# KiCad board panel.kicad_pcb (continued)
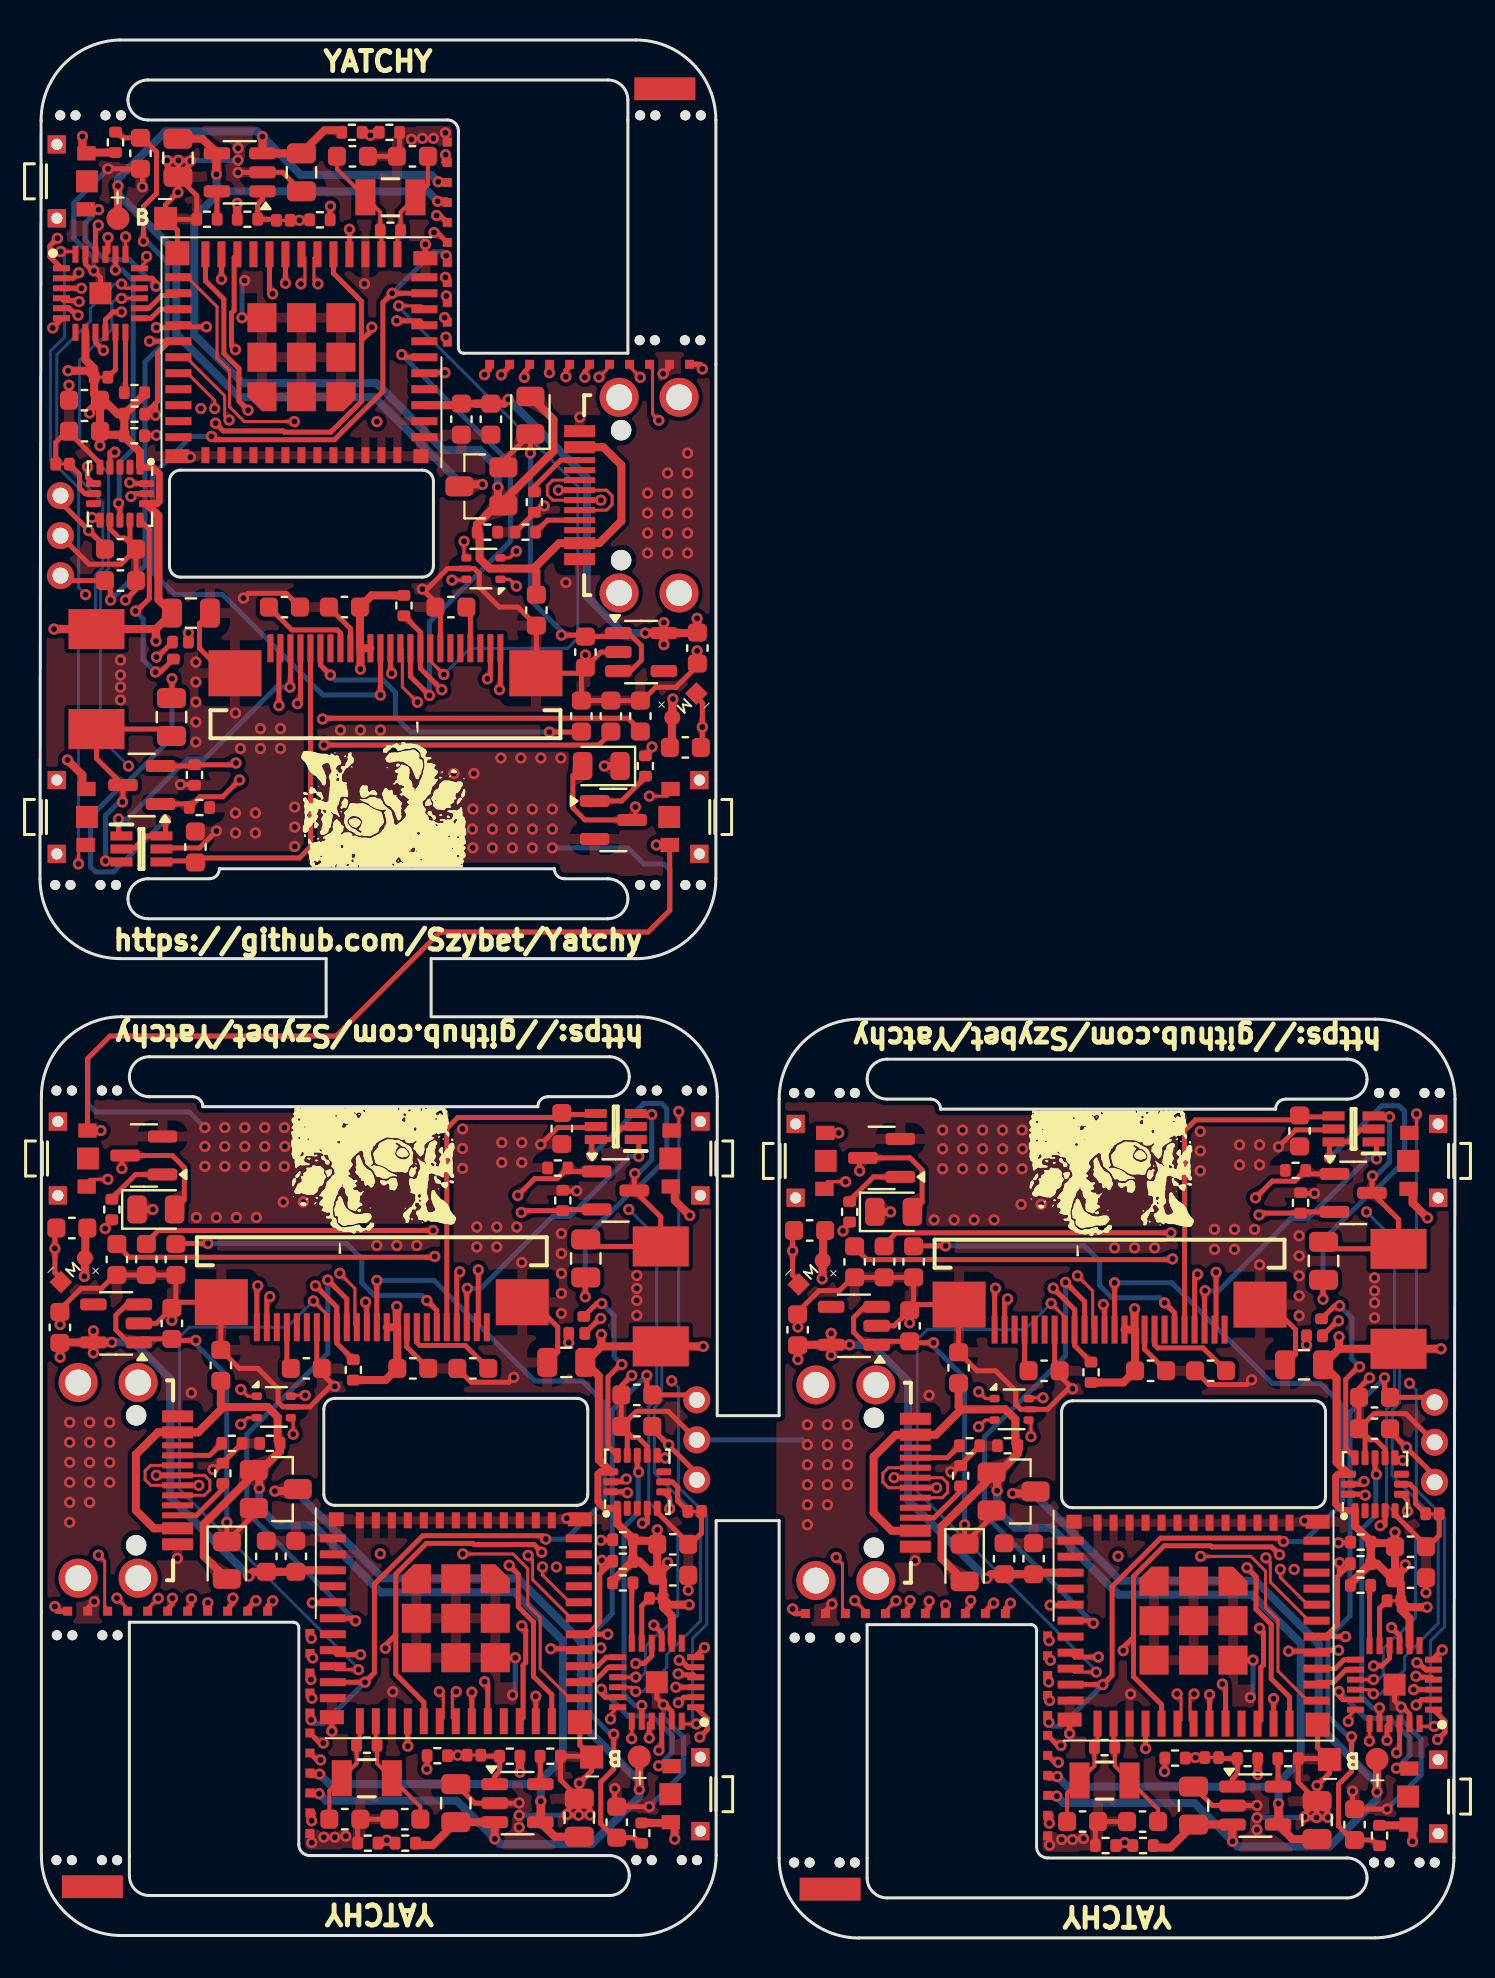
[diagram p0: board, top side]
## Routing (per net, layer and track width the routed paths; a pad name or vN(x,y) marks a point on that pad's centre or on a via; arc(x,y) is an arc through that point) (continued)
  In2.Cu w0.15: v1(61.31,19.02) 60.24,20.09 45.78,20.09 42.81,17.12 v1(42.81,16.87) ; v1(27.95,78.08) 27.95,77.84 24.99,74.87 10.52,74.87 v1(9.46,75.93) ; v1(5.92,16.99) 5.92,17.24 8.88,20.21 23.35,20.21 v1(24.41,19.14)
MOD_TX: length 97.2
  Top w0.15: v1(30.02,78.07) 29.49,78.6 29.48,78.6 ; v1(62.03,18.44) 62.03,18.04 63.39,16.68 U3.31 ; v1(3.85,17) 4.38,16.47 4.38,16.47 ; U3#2.31 26.49,16.8 25.13,18.16 v1(25.13,18.56) ; U3#3.31 7.37,78.28 8.74,76.92 v1(8.74,76.51) ; 41.28,16.35 41.28,16.35 v1(40.74,16.88)
  In2.Cu w0.15: v1(3.85,17) 3.62,17.23 3.62,20.73 4.26,21.37 9.86,21.37 10.62,20.61 25.49,20.61 25.99,20.11 25.99,19.48 25.13,18.63 v1(25.13,18.56) ; v1(62.03,18.44) 62.03,18.51 62.89,19.36 62.89,19.99 62.38,20.49 47.52,20.49 46.76,21.25 41.15,21.25 40.52,20.61 40.52,17.11 v1(40.74,16.88) ; v1(30.02,78.07) 30.25,77.84 30.25,74.35 29.61,73.71 24,73.71 23.25,74.46 8.38,74.46 7.88,74.97 7.88,75.59 8.74,76.45 v1(8.74,76.51)
MOSI: length 135.7
  Top w0.25: v1(8.57,75.12) 8.74,74.95 14.72,74.95 17.15,77.37 17.15,81.81 v1(17.61,82.28) U3#3.10 ; v1(25.3,19.96) 25.13,20.13 19.15,20.13 16.72,17.7 16.72,13.26 v1(16.25,12.8) U3#2.10 ; v1(13.56,10.91) 13.56,11.21 13.59,11.25 ; U3.10 v1(53.15,12.68) 53.62,13.14 53.62,17.58 56.04,20.01 62.02,20.01 v1(62.19,19.84) ; v1(16.84,32.9) J5#2.12 ; 20.27,83.83 20.31,83.87 v1(20.31,84.16) ; v1(17.02,62.18) J5#3.12 ; v1(53.74,32.78) J5.12 ; 50.49,11.13 50.45,11.09 v1(50.45,10.79)
  In1.Cu w0.25: v1(53.15,12.68) 53.15,12.69 ; v1(16.25,12.8) 16.25,12.81 ; v1(17.61,82.28) 17.61,82.27
  Bottom w0.25: v1(50.45,10.79) 50.64,10.6 51.08,10.6 v1(53.15,12.68) ; v1(17.61,82.28) 19.69,84.35 20.12,84.35 v1(20.31,84.16) ; v1(8.57,75.12) 7.56,75.12 5.62,73.18 5.62,68.33 6.74,67.21 9.13,67.21 14.16,62.18 v1(17.02,62.18) ; v1(16.25,12.8) 14.18,10.72 13.75,10.72 v1(13.56,10.91) ; v1(25.3,19.96) 26.3,19.96 28.25,21.9 28.25,26.74 27.13,27.86 24.74,27.86 19.71,32.9 v1(16.84,32.9) ; v1(62.19,19.84) 63.2,19.84 65.14,21.78 65.14,26.62 64.02,27.74 61.64,27.74 56.61,32.78 v1(53.74,32.78)
PREVGH: length 53.5
  Top w0.25: J5#2.5 20.34,40.5 20.89,41.05 26.27,41.05 26.42,41.2 27.94,41.2 ; J5.5 57.24,40.38 57.79,40.93 63.17,40.93 63.32,41.08 64.84,41.08 ; J5#3.5 13.52,54.58 12.97,54.03 7.6,54.03 7.45,53.88 5.92,53.88
PREVGL: length 42.2
  Top w0.25: J5.3 58.24,32.36 v1(58.27,32.38) ; v1(3.92,55.98) 3.92,55.18 ; v1(12.5,62.57) 12.52,62.6 J5#3.3 ; J5#2.3 21.34,32.48 v1(21.37,32.5) ; v1(66.84,38.98) 66.84,39.78 ; v1(29.94,39.1) 29.94,39.9
  Bottom w0.25: v1(12.5,62.57) 11.82,62.57 8.22,58.98 7.37,58.98 4.37,55.98 v1(3.92,55.98) ; v1(21.37,32.5) 22.05,32.5 25.64,36.1 26.49,36.1 29.49,39.1 v1(29.94,39.1) ; v1(58.27,32.38) 58.95,32.38 62.54,35.98 63.39,35.98 66.39,38.98 v1(66.84,38.98)
RES: length 139.6
  Top w0.25: U3#2.5 14.62,16.77 v1(13.62,16.77) ; R20.2 51.74,29.64 J5.16 51.74,31.44 v1(50.67,32.51) ; 18.2,66.14 19.02,65.32 J5#3.16 19.02,63.51 v1(20.09,62.44) ; v1(50.52,16.65) 51.52,16.65 U3.5 ; U3#3.5 19.25,78.3 v1(20.25,78.3) ; R20#2.2 14.84,29.76 J5#2.16 14.84,31.56 v1(13.77,32.63)
  In1.Cu w0.25: v1(13.77,32.63) 13.77,33.97 10.69,37.05 3.73,37.05 2.39,35.71 2.39,33.87 6.88,29.39 6.88,25.05 5.24,23.41 5.24,22.54 10.37,17.41 12.98,17.41 v1(13.62,16.77) ; v1(50.67,32.51) 50.67,33.85 47.59,36.93 40.63,36.93 39.29,35.59 39.29,33.75 43.77,29.27 43.77,24.93 42.14,23.29 42.14,22.42 47.27,17.29 49.88,17.29 v1(50.52,16.65) ; v1(20.25,78.3) 20.88,77.67 23.5,77.67 28.63,72.54 28.63,71.66 26.99,70.03 26.99,65.69 31.47,61.2 31.47,59.37 30.13,58.03 23.17,58.03 20.09,61.11 v1(20.09,62.44)
RESE: length 61.1
  Top w0.25: v1(48.39,31.97) 48.24,31.82 J5.23 ; v1(22.37,62.99) 22.52,63.14 J5#3.23 ; v1(60.97,36.18) 61.06,36.27 R9#2.2 63.1,36.33 Q1#2.2 ; v1(9.8,58.78) 9.71,58.69 R9.2 7.66,58.63 Q1.2 ; J5#2.23 11.34,31.94 v1(11.49,32.09) ; v1(24.07,36.3) 24.16,36.39 R9#3.2 26.2,36.45 Q1#3.2
  In2.Cu w0.25: v1(48.39,31.97) 48.39,33.03 51.54,36.18 v1(60.97,36.18) ; v1(9.8,58.78) 19.22,58.78 22.37,61.93 v1(22.37,62.99) ; v1(11.49,32.09) 11.49,33.15 14.64,36.3 v1(24.07,36.3)
SCK: length 140.7
  Top w0.25: v1(16.59,80.58) 16.59,80.42 16.07,79.9 ; v1(16.28,31.81) 16.34,31.75 J5#2.13 ; v1(61.99,19.17) 61.6,19.56 58.61,19.56 58.55,19.62 56.22,19.62 54.69,18.09 54.69,15.05 ; 16.07,79.9 16.07,81.88 14.67,83.28 U3#3.16 ; 16.07,79.9 16.07,76.87 14.54,75.33 12.22,75.33 12.16,75.39 9.17,75.39 8.78,75.78 v1(8.78,75.78) ; 54.69,15.05 54.17,14.53 v1(54.17,14.38) ; 54.69,15.05 54.69,13.08 56.09,11.68 U3.16 ; J5#3.13 17.52,63.32 v1(17.59,63.26) ; v1(50.49,11.88) 50.49,12.13 ; v1(13.59,12) 13.59,12.25 ; v1(20.27,83.08) 20.27,82.83 ; 17.79,15.17 17.79,13.2 19.19,11.8 U3#2.16 ; 17.79,15.17 17.27,14.65 v1(17.27,14.5) ; 17.79,15.17 17.79,18.21 19.33,19.74 21.65,19.74 21.71,19.68 24.7,19.68 v1(25.09,19.29) ; J5.13 53.24,31.63 v1(53.18,31.69)
  In1.Cu w0.25: v1(25.09,19.29) 25.63,19.29 27.84,21.51 27.84,27.15 26.08,28.91 19.68,28.91 16.79,31.8 16.3,31.8 v1(16.28,31.81) ; v1(8.78,75.78) 8.24,75.78 6.02,73.57 6.02,67.93 7.78,66.17 14.18,66.17 17.07,63.28 17.57,63.28 v1(17.59,63.26) ; v1(61.99,19.17) 62.53,19.17 64.74,21.39 64.74,27.03 62.98,28.79 56.58,28.79 53.69,31.68 53.2,31.68 v1(53.18,31.69)
  In2.Cu w0.25: v1(17.27,14.5) 17.27,12.97 16.31,12 v1(13.59,12) ; v1(16.59,80.58) 16.59,82.11 17.56,83.08 v1(20.27,83.08) ; v1(50.49,11.88) 53.2,11.88 54.17,12.85 v1(54.17,14.38)
SCL: length 97
  Top w0.25: 5.78,76.78 5.87,76.87 5.87,79.28 6.47,79.88 U3#3.29 v1(5.47,79.88) ; 5.78,76.78 5.77,76.77 v1(5.77,76.18) ; 5.78,76.78 R1.2 ; v1(67.02,20.63) 67.24,20.63 67.27,20.66 67.27,21.37 ; 30.37,21.49 30.37,20.78 30.34,20.75 v1(30.12,20.75) ; 28.09,18.3 28.09,18.31 v1(28.09,18.9) ; 28.09,18.3 R1#3.2 ; 28.09,18.3 27.99,18.21 27.99,15.8 27.39,15.2 U3#2.29 v1(28.39,15.2) ; IC2#2.9 2.77,79.82 v1(3.17,79.42) ; v1(65.29,15.08) U3.29 64.29,15.08 64.89,15.68 64.89,18.09 64.98,18.18 ; v1(30.69,15.66) 31.09,15.26 IC2.9 ; v1(50.93,8.79) 50.75,8.79 J9#2.1 ; v1(19.83,86.17) 20.02,86.17 J9#3.1 ; v1(14.03,8.91) 13.85,8.91 J9.1 ; v1(67.59,15.54) 67.99,15.14 IC2#3.9 ; 64.98,18.18 R1#2.2 ; 64.98,18.18 64.99,18.19 v1(64.99,18.78) ; 3.49,73.58 3.49,74.3 3.52,74.33 v1(3.74,74.33)
  In1.Cu w0.25: v1(28.39,15.2) 28.39,15.25 29.14,16 30.35,16 v1(30.69,15.66) ; v1(5.47,79.88) 5.47,79.83 4.72,79.08 3.51,79.08 v1(3.17,79.42) ; v1(28.09,18.9) 28.9,18.9 30.12,20.12 v1(30.12,20.75) ; v1(64.99,18.78) 65.79,18.78 67.02,20 v1(67.02,20.63) ; v1(65.29,15.08) 65.29,15.13 66.04,15.88 67.25,15.88 v1(67.59,15.54) ; v1(3.74,74.33) 3.74,74.95 4.97,76.18 v1(5.77,76.18)
  In2.Cu w0.25: v1(19.83,86.17) 18.14,86.17 13.64,81.67 7.68,81.67 5.89,79.88 v1(5.47,79.88) ; v1(65.29,15.08) 64.88,15.08 63.09,13.29 57.13,13.29 52.63,8.79 v1(50.93,8.79) ; v1(14.03,8.91) 15.73,8.91 20.23,13.41 26.19,13.41 27.98,15.2 v1(28.39,15.2)
SDA: length 96.3
  Top w0.25: v1(5.82,80.56) 6.81,80.56 U3#3.28 7,80.6 v1(8.32,80.6) ; v1(25.54,14.47) 26.87,14.47 U3#2.28 27.06,14.51 v1(28.05,14.51) ; v1(66.69,13.61) 67.11,13.61 67.49,14 IC2#3.10 ; v1(14.16,9.76) 14,9.76 J10.1 ; v1(2.38,73.6) 2.38,73.05 AC1#2.6 ; 28.63,19.88 28.61,19.9 v1(28.05,19.9) ; v1(51.06,9.64) 50.9,9.64 J10#2.1 ; J10#3.1 19.87,85.32 v1(19.7,85.32) ; v1(4.08,81.34) 3.66,81.34 3.27,80.96 IC2#2.10 ; IC2.10 30.59,14.12 30.21,13.73 v1(29.79,13.73) ; v1(5.82,75.18) 5.25,75.18 5.23,75.2 ; v1(64.94,14.39) 63.96,14.39 U3.28 63.77,14.35 v1(62.44,14.35) ; v1(68.38,21.35) 68.38,21.91 AC1.6 ; 65.53,19.76 65.51,19.78 v1(64.94,19.78) ; AC1#3.6 31.49,22.03 v1(31.49,21.47)
  In1.Cu w0.25: v1(2.38,73.6) 3.77,73.6 5.34,75.18 v1(5.82,75.18) 6.47,75.83 6.47,79.91 v1(5.82,80.56) 5.56,80.56 4.78,81.34 v1(4.08,81.34) ; v1(68.38,21.35) 67,21.35 65.42,19.78 v1(64.94,19.78) 64.29,19.12 64.29,15.05 v1(64.94,14.39) 65.21,14.39 65.99,13.61 v1(66.69,13.61) ; v1(31.49,21.47) 30.1,21.47 28.53,19.9 v1(28.05,19.9) 27.39,19.24 27.39,15.17 v1(28.05,14.51) 28.31,14.51 29.09,13.73 v1(29.79,13.73)
  In2.Cu w0.25: v1(25.54,14.47) 25.45,14.57 20.74,14.57 15.93,9.76 v1(14.16,9.76) ; v1(62.44,14.35) 62.35,14.45 57.64,14.45 52.83,9.64 v1(51.06,9.64) ; v1(8.32,80.6) 8.42,80.51 13.12,80.51 17.93,85.32 v1(19.7,85.32)
STAT_IN: length 35.4
  Top w0.25: R6.1 57.3,9.03 v1(57.79,9.03) JP2#3.2 ; IC2#2.21 3.4,84.36 v1(3.4,85.07) ; IC2#3.21 67.36,10.6 v1(67.36,9.88) ; R6#3.1 20.4,9.15 v1(20.89,9.15) JP2#2.2 ; R6#2.1 13.46,85.93 v1(12.97,85.93) JP2.2 ; IC2.21 30.47,10.72 v1(30.47,10)
  In1.Cu w0.25: v1(12.97,85.93) 12.72,85.68 4.01,85.68 v1(3.4,85.07) ; v1(30.47,10) 29.86,9.4 21.14,9.4 v1(20.89,9.15) ; v1(67.36,9.88) 66.75,9.28 58.04,9.28 v1(57.79,9.03)
STAT_OUT: length 42.6
  Top w0.25: v1(19.34,8.45) 19.36,8.46 R6#3.2 ; v1(56.24,8.33) 56.26,8.34 R6.2 ; v1(14.52,86.63) 14.51,86.61 R6#2.2 ; IC2#2.22 2.77,85.54 v1(2.92,85.69) ; IC2#3.22 67.99,9.41 v1(67.85,9.27) ; IC2.22 31.09,9.53 v1(30.95,9.39)
  In1.Cu w0.25: v1(19.34,8.45) 21.16,8.45 21.77,9.06 30.62,9.06 v1(30.95,9.39) ; v1(2.92,85.69) 3.25,86.02 12.09,86.02 12.7,86.63 v1(14.52,86.63) ; v1(67.85,9.27) 67.51,8.94 58.67,8.94 58.06,8.33 v1(56.24,8.33)
UP_ DN: length 32.3
  Top w0.15: v1(25.93,72.43) J4.A7 28.33,72.43 28.61,72.15 28.61,71.71 28.34,71.43 J4.B7 ; J4#3.B7 5.53,23.65 5.26,23.37 5.26,22.93 5.54,22.65 J4#3.A7 v1(7.94,22.65) ; J4#2.B7 42.43,23.53 42.15,23.25 42.15,22.81 42.43,22.53 J4#2.A7 v1(44.84,22.53) ; v1(23.82,69.38) 23.49,69.04 U1.3 ; U1#2.3 47.28,25.91 v1(46.94,25.58) ; U1#3.3 10.38,26.03 v1(10.04,25.7)
  In1.Cu w0.15: v1(46.94,25.58) 45.94,24.58 arc(45.77,24.51) 45.6,24.58 45.46,24.71 arc(45.3,24.78) 45.13,24.71 45.04,24.63 arc(44.97,24.46) 45.04,24.29 45.18,24.15 arc(45.25,23.98) 45.18,23.81 44.84,23.47 v1(44.84,22.53) ; v1(10.04,25.7) 9.05,24.7 arc(8.88,24.63) 8.71,24.7 8.57,24.83 arc(8.4,24.9) 8.23,24.83 8.15,24.75 arc(8.07,24.58) 8.15,24.41 8.28,24.27 arc(8.35,24.1) 8.28,23.93 7.94,23.59 v1(7.94,22.65) ; v1(23.82,69.38) 24.82,70.38 arc(24.99,70.45) 25.16,70.38 25.3,70.24 arc(25.47,70.17) 25.64,70.24 25.72,70.33 arc(25.79,70.5) 25.72,70.67 25.59,70.8 arc(25.52,70.97) 25.59,71.14 25.93,71.48 v1(25.93,72.43)
UP_ DP: length 35.9
  Top w0.15: J4#2.A6 45.12,23.03 45.39,22.75 45.39,22.3 45.12,22.03 J4#2.B6 ; U1#2.1 47.28,26.99 v1(46.94,27.33) ; U1#3.1 10.38,27.11 v1(10.04,27.45) ; J4.A6 25.65,71.93 25.37,72.2 25.37,72.66 25.65,72.93 J4.B6 ; v1(23.82,67.63) 23.48,67.97 U1.1 ; J4#3.A6 8.22,23.15 8.5,22.87 8.5,22.42 8.22,22.15 J4#3.B6
  Top w0.2: 28.01,71.87 27.95,71.93 J4.A6 ; J4#2.A6 42.81,23.03 42.75,23.09 ; J4#3.A6 5.91,23.15 5.85,23.21
  In1.Cu w0.15: v1(5.82,23.15) 10.04,27.38 v1(10.04,27.45) ; v1(46.94,27.33) 46.94,27.26 v1(42.71,23.03) ; v1(28.05,71.93) 23.82,67.7 v1(23.82,67.63)
VIB_PWM: length 103.7
  Top w0.15: 3.54,35.94 3.54,35.77 v1(3.26,35.49) ; v1(40.16,35.37) 40.44,35.65 40.44,35.82 ; 30.32,59.14 30.32,59.3 v1(30.61,59.58)
  Top w0.25: v1(21.59,12.3) U3#2.19 ; v1(12.27,82.78) U3#3.19 ; v1(58.49,12.18) U3.19
  In1.Cu w0.15: v1(40.16,35.37) 40.17,35.36 43.37,35.36 50.7,28.04 50.7,21.18 58.39,13.48 58.39,12.23 ; 12.37,82.72 12.37,81.47 20.07,73.78 20.07,66.92 27.39,59.59 30.6,59.59 v1(30.61,59.58) ; v1(3.26,35.49) 3.27,35.48 6.48,35.48 13.8,28.16 13.8,21.3 21.49,13.6 21.49,12.35
Net-(AC1-ADC1): length 31.3
  Top w0.25: v1(4.49,72.8) 4.54,72.75 AC1#2.16 ; AC1#3.16 29.33,22.32 v1(29.38,22.27) ; v1(26.44,29.79) TP1.1 ; v1(7.42,65.29) TP1#3.1 ; AC1.16 66.23,22.2 v1(66.28,22.15) ; v1(63.34,29.67) TP1#2.1
  In1.Cu w0.25: v1(63.34,29.67) 65.09,27.92 65.09,22.67 65.61,22.15 v1(66.28,22.15) ; v1(29.38,22.27) 28.72,22.27 28.2,22.79 28.2,28.04 v1(26.44,29.79) ; v1(4.49,72.8) 5.15,72.8 5.67,72.28 5.67,67.04 v1(7.42,65.29)
Net-(AC1-ADC2): length 31.7
  Top w0.25: v1(4.55,72.11) 4.69,72.25 AC1#2.15 ; v1(66.22,22.84) 66.08,22.7 AC1.15 ; TP2#2.1 5.87,64.08 v1(5.82,64.08) ; TP2#3.1 64.89,30.88 v1(64.94,30.88) ; TP2.1 27.99,31 v1(28.04,31) ; AC1#3.15 29.18,22.82 v1(29.32,22.96)
  In1.Cu w0.25: v1(5.82,64.08) 5.27,64.63 5.27,65.1 5.32,65.15 5.32,67.09 4.67,67.74 4.67,71.98 v1(4.55,72.11) ; v1(28.04,31) 28.59,30.45 28.59,29.98 28.54,29.93 28.54,27.98 29.19,27.33 29.19,23.09 v1(29.32,22.96) ; v1(66.22,22.84) 66.09,22.97 66.09,27.21 65.44,27.86 65.44,29.81 65.49,29.86 65.49,30.33 v1(64.94,30.88)
Net-(AC1-ADC3): length 29.1
  Top w0.25: TP3.1 64.74,31.63 v1(64.99,31.63) ; AC1#3.13 28.4,24.61 28.4,28.07 29.03,28.7 v1(29.09,28.7) ; TP3#2.1 6.02,63.33 v1(5.77,63.33) ; v1(4.77,66.38) 4.84,66.38 5.46,67.01 5.46,70.46 AC1#2.13 ; v1(65.99,28.58) 65.93,28.58 65.3,27.95 65.3,24.49 AC1.13 ; v1(28.09,31.75) 27.84,31.75 TP3#3.1
  Bottom w0.25: v1(64.99,31.63) 65.61,31.01 65.61,28.96 v1(65.99,28.58) ; v1(5.77,63.33) 5.16,63.95 5.16,66 v1(4.77,66.38) ; v1(29.09,28.7) 28.71,29.08 28.71,31.13 v1(28.09,31.75)
Net-(AC1-SDO/SA0): length 6.7
  Top w0.25: AC1#3.7 31.62,22.82 31.89,22.55 31.89,21.85 JP4.1 ; JP4#3.1 1.98,73.22 1.98,72.53 2.25,72.25 AC1#2.7 ; AC1.7 68.52,22.7 68.79,22.43 68.79,21.73 JP4#2.1
Net-(C2-Pad1): length 6.4
  Top w0.25: J5#3.21 21.52,66.38 C2#2.1 ; J5#2.21 12.34,28.7 C2.1 ; C2#3.1 49.24,28.58 J5.21
Net-(C6-Pad1): length 14.6
  Top w0.25: J5.8 55.74,29.68 55.9,29.52 58.17,29.52 C6#3.1 ; C6#2.1 12.59,65.43 14.87,65.43 15.02,65.28 J5#3.8 ; C6.1 21.27,29.64 19,29.64 18.84,29.8 J5#2.8
Net-(C8-Pad1): length 48.1
  Top w0.25: 43.64,34.6 43.67,34.63 v1(45.29,34.63) ; J5.6 56.74,31.28 v1(56.24,31.78) ; J5#3.6 14.02,63.68 v1(14.52,63.18) ; J5#2.6 19.84,31.4 v1(19.34,31.9) ; 6.74,34.72 6.77,34.75 v1(8.39,34.75) ; 27.12,60.35 27.1,60.33 v1(25.47,60.33)
  Bottom w0.25: v1(25.47,60.33) 18.54,60.33 17.77,61.09 17.77,62.31 17.15,62.93 14.77,62.93 v1(14.52,63.18) ; v1(8.39,34.75) 15.33,34.75 16.09,33.98 16.09,32.77 16.72,32.15 19.09,32.15 v1(19.34,31.9) ; v1(56.24,31.78) 55.99,32.03 53.61,32.03 52.99,32.65 52.99,33.86 52.23,34.63 v1(45.29,34.63)
Net-(C9-Pad1): length 60.9
  Top w0.25: J5#3.4 13.02,61.9 v1(12.88,61.75) ; J5#2.4 20.84,33.18 v1(20.99,33.33) ; v1(57.89,33.21) 57.74,33.06 J5.4 ; 28.62,60.35 27.95,59.68 v1(14.21,59.68) ; 42.14,34.6 42.82,35.28 v1(56.56,35.28) ; 5.24,34.72 5.92,35.4 v1(19.66,35.4)
  In1.Cu w0.25: v1(56.56,35.28) 56.84,35.28 57.89,34.23 v1(57.89,33.21) ; v1(19.66,35.4) 19.94,35.4 20.99,34.35 v1(20.99,33.33) ; v1(12.88,61.75) 12.88,60.73 13.92,59.68 v1(14.21,59.68)
Net-(C10-Pad1): length 64.8
  Top w0.25: 30.07,60.35 29.41,61.02 14.16,61.02 v1(14.12,60.98) ; J5#2.2 21.92,30.63 v1(21.92,33.42) ; v1(11.95,61.65) 11.95,64.44 J5#3.2 ; v1(58.82,33.3) 58.82,30.51 J5.2 ; v1(56.64,33.98) 56.6,33.94 41.36,33.94 40.69,34.6 ; 3.79,34.72 4.46,34.06 19.7,34.06 v1(19.74,34.1)
  In2.Cu w0.25: v1(14.12,60.98) 12.62,60.98 v1(11.95,61.65) ; v1(21.92,33.42) 21.25,34.1 v1(19.74,34.1) ; v1(56.64,33.98) 58.14,33.98 v1(58.82,33.3)
Net-(D4-K): length 58.2
  Top w0.25: v1(26.07,65.18) 27.2,65.18 C22.1 28.75,65.1 U2#3.1 29.44,65.28 30.07,64.65 30.07,63.92 29.53,63.38 U2#3.3 ; Q4#3.2 10.69,21.18 D4.1 v1(9.34,20.8) ; Q4.2 47.59,21.06 D4#2.1 v1(46.24,20.68) ; U2.3 4.33,31.7 3.79,31.16 3.79,30.43 4.42,29.8 U2.1 5.12,29.97 C22#3.1 6.67,29.9 v1(7.79,29.9) ; Q4#2.2 23.17,73.89 D4#3.1 v1(24.52,74.28) ; U2#2.3 41.23,31.58 40.69,31.04 40.69,30.31 41.32,29.68 U2#2.1 42.02,29.85 C22#2.1 43.57,29.78 v1(44.69,29.78)
  Bottom w0.25: v1(7.79,29.9) 7.79,29.7 9.34,28.15 v1(9.34,20.8) ; v1(26.07,65.18) 26.07,65.38 24.52,66.93 v1(24.52,74.28) ; v1(44.69,29.78) 44.69,29.58 46.24,28.03 v1(46.24,20.68)
Net-(D5-A2): length 61.1
  Top w0.25: C3.1 27.27,33.02 v1(27.27,32.08) ; v1(64.49,39.03) 64.49,39.63 D5.6 65.44,39.83 66.04,40.43 66.84,40.43 ; C3#3.1 6.6,62.05 v1(6.6,63) ; 29.94,40.55 29.14,40.55 28.54,39.95 D5#3.6 27.59,39.75 v1(27.59,39.15) ; v1(64.17,31.96) 64.17,32.9 C3#2.1 ; 3.92,54.53 4.72,54.53 5.32,55.13 D5#2.6 6.27,55.33 v1(6.27,55.93)
  Bottom w0.25: v1(6.27,55.93) 3.67,53.33 2.78,53.33 2.52,53.59 2.52,56.09 4.23,57.8 4.35,57.8 6.6,60.04 v1(6.6,63) ; v1(27.59,39.15) 30.19,41.75 31.08,41.75 31.34,41.49 31.34,38.98 29.64,37.28 29.51,37.28 27.27,35.03 v1(27.27,32.08) ; v1(64.17,31.96) 64.17,34.91 66.41,37.16 66.53,37.16 68.24,38.86 68.24,41.37 67.98,41.63 67.09,41.63 v1(64.49,39.03)
Net-(D5-A3): length 36.5
  Top w0.25: v1(4.12,56.83) 4.15,56.85 Q1.3 2.82,59 L1.1 6.22,60.48 C3#3.2 ; v1(66.64,38.13) 66.62,38.1 Q1#2.3 67.94,35.95 L1#3.1 64.54,34.48 C3#2.2 ; v1(29.74,38.25) 29.72,38.22 Q1#3.3 31.04,36.07 L1#2.1 27.64,34.6 C3.2 ; v1(3.27,53.88) 3.92,53.88 ; v1(30.59,41.2) 29.94,41.2 ; v1(67.49,41.08) 66.84,41.08
  Bottom w0.25: v1(66.64,38.13) 66.81,38.13 67.49,38.81 v1(67.49,41.08) ; v1(3.27,53.88) 3.27,56.15 3.95,56.83 v1(4.12,56.83) ; v1(30.59,41.2) 30.59,38.93 29.91,38.25 v1(29.74,38.25)
Net-(D6-A): length 44.7
  Top w0.25: 29.12,55.93 27.25,55.93 26.65,56.53 26.65,58.14 D6#3.2 ; 37.94,32.87 37.64,33.17 v1(37.64,34.38) 37.64,35.4 37.62,35.43 ; Q5#3.3 40.99,38.86 v1(40.99,38.38) ; Q5#2.3 4.09,38.98 v1(4.09,38.5) ; 1.04,32.99 0.74,33.29 v1(0.74,34.5) 0.74,35.52 0.72,35.55 ; 32.83,62.08 33.12,61.78 v1(33.12,60.58) 33.12,59.55 33.15,59.53 ; v1(29.77,56.58) 29.77,56.09 Q5.3 ; 4.74,39.15 6.61,39.15 7.22,38.54 7.22,36.93 D6#2.2 ; 41.64,39.03 43.51,39.03 44.11,38.42 44.11,36.81 D6.2
  In1.Cu w0.25: v1(37.64,34.38) 38.46,35.2 38.46,37.7 39.14,38.38 v1(40.99,38.38) ; v1(33.12,60.58) 32.3,59.76 32.3,57.26 31.63,56.58 v1(29.77,56.58) ; v1(4.09,38.5) 2.24,38.5 1.57,37.82 1.57,35.32 v1(0.74,34.5)
Net-(IC2-ADDR): length 7.2
  Top w0.25: JP3#2.1 66.99,16.5 IC2#3.11 ; JP3#3.1 3.77,78.46 IC2#2.11 ; IC2.11 30.09,16.62 JP3.1
Net-(IC2-~{RESET}): length 9.4
  Top w0.25: 66.55,17.73 66.49,17.67 IC2#3.12 ; IC2.12 29.59,17.79 29.65,17.85 ; 4.21,77.23 4.27,77.29 IC2#2.12
Net-(IC3-PROG): length 4.2
  Top w0.25: IC3#3.5 25.02,9.09 R15#2.2 ; IC3#2.5 61.92,8.97 R15#3.2 ; IC3.5 8.85,85.99 R15.2
Net-(IC3-STAT): length 7.4
  Top w0.25: IC3#2.1 59.64,7.98 59.89,8.23 59.88,8.24 R16#3.2 58.99,8.98 JP2#3.1 ; JP2.1 11.77,85.98 R16.2 10.88,86.72 10.87,86.73 11.12,86.98 IC3.1 ; JP2#2.1 22.09,9.1 R16#2.2 22.98,8.36 22.99,8.35 22.74,8.1 IC3#3.1
Net-(J4-CC1): length 7.4
  Top w0.25: R5#3.1 45.38,24.03 J4#2.A5 ; J4#3.A5 8.48,24.15 R5.1 ; R5#2.1 25.38,70.93 J4.A5
Net-(J4-CC2): length 9.2
  Top w0.25: J4#2.B5 44.72,21.03 46.04,22.35 R4#3.1 ; R4.1 9.14,22.47 7.82,21.15 J4#3.B5 ; J4.B5 26.04,73.93 24.72,72.61 R4#2.1
Net-(Q5-B): length 8.8
  Top w0.25: 30.32,58.12 29.08,56.88 27.9,56.88 ; 3.54,36.96 4.78,38.2 5.97,38.2 ; 40.44,36.84 41.68,38.08 42.87,38.08

## Copper pours and planes (outline as drawn; the poured copper is in the pictures)
+3V3 on In1.Cu: 33.88,4.25 12.89,4.25 12.77,4.37 12.77,15.72 -0.08,15.72 -0.08,41.92 -0.06,41.95 33.94,41.95 33.94,4.31
+3V3 on In1.Cu: 70.78,4.13 49.79,4.13 49.67,4.25 49.67,15.6 36.82,15.6 36.82,41.8 36.84,41.83 70.84,41.83 70.84,4.19
+3V3 on In1.Cu: -0.02,90.83 20.97,90.83 21.1,90.7 21.1,79.35 33.95,79.35 33.95,53.15 33.92,53.13 -0.08,53.13 -0.08,90.77
GND on Top: 33.88,4.25 12.89,4.25 12.77,4.37 12.77,15.72 -0.08,15.72 -0.08,41.92 -0.06,41.95 33.94,41.95 33.94,4.31
GND on Top: 70.78,4.13 49.79,4.13 49.67,4.25 49.67,15.6 36.82,15.6 36.82,41.8 36.84,41.83 70.84,41.83 70.84,4.19
GND on Top: -0.02,90.83 20.97,90.83 21.1,90.7 21.1,79.35 33.95,79.35 33.95,53.15 33.92,53.13 -0.08,53.13 -0.08,90.77
GND on Bottom: 70.78,4.13 49.79,4.13 49.67,4.25 49.67,15.6 36.82,15.6 36.82,41.8 36.84,41.83 70.84,41.83 70.84,4.19
GND on Bottom: 33.88,4.25 12.89,4.25 12.77,4.37 12.77,15.72 -0.08,15.72 -0.08,41.92 -0.06,41.95 33.94,41.95 33.94,4.31
GND on Bottom: -0.02,90.83 20.97,90.83 21.1,90.7 21.1,79.35 33.95,79.35 33.95,53.15 33.92,53.13 -0.08,53.13 -0.08,90.77
GND on In2.Cu: 70.78,4.13 49.79,4.13 49.67,4.25 49.67,15.6 36.82,15.6 36.82,41.8 36.84,41.83 70.84,41.83 70.84,4.19
GND on In2.Cu: -0.02,90.83 20.97,90.83 21.1,90.7 21.1,79.35 33.95,79.35 33.95,53.15 33.92,53.13 -0.08,53.13 -0.08,90.77
GND on In2.Cu: 33.88,4.25 12.89,4.25 12.77,4.37 12.77,15.72 -0.08,15.72 -0.08,41.92 -0.06,41.95 33.94,41.95 33.94,4.31

Small or netless copper shapes (teardrops, artwork), in the pictures only: 714 on Top, 159 on Bottom, 170 on In1.Cu, 156 on In2.Cu

## Text on the board
F.Silkscreen: - | + | YATCHY | https://github.com/Szybet/Yatchy
